# Altium PCB DL-5新款球锁 - 拼板-20201231.PcbDoc (part 6 of 9)
Units mm, origin at the board's own origin, x right, y up, seen from the top; angles counter-clockwise.
Board outline 55.99 x 50 mm, 4 copper layers (Top Layer, POWER, GND, Bottom Layer); 388 components, 70 nets, 1224 pads, 536 vias.
Unrouted connection lines stored in the file: 276.
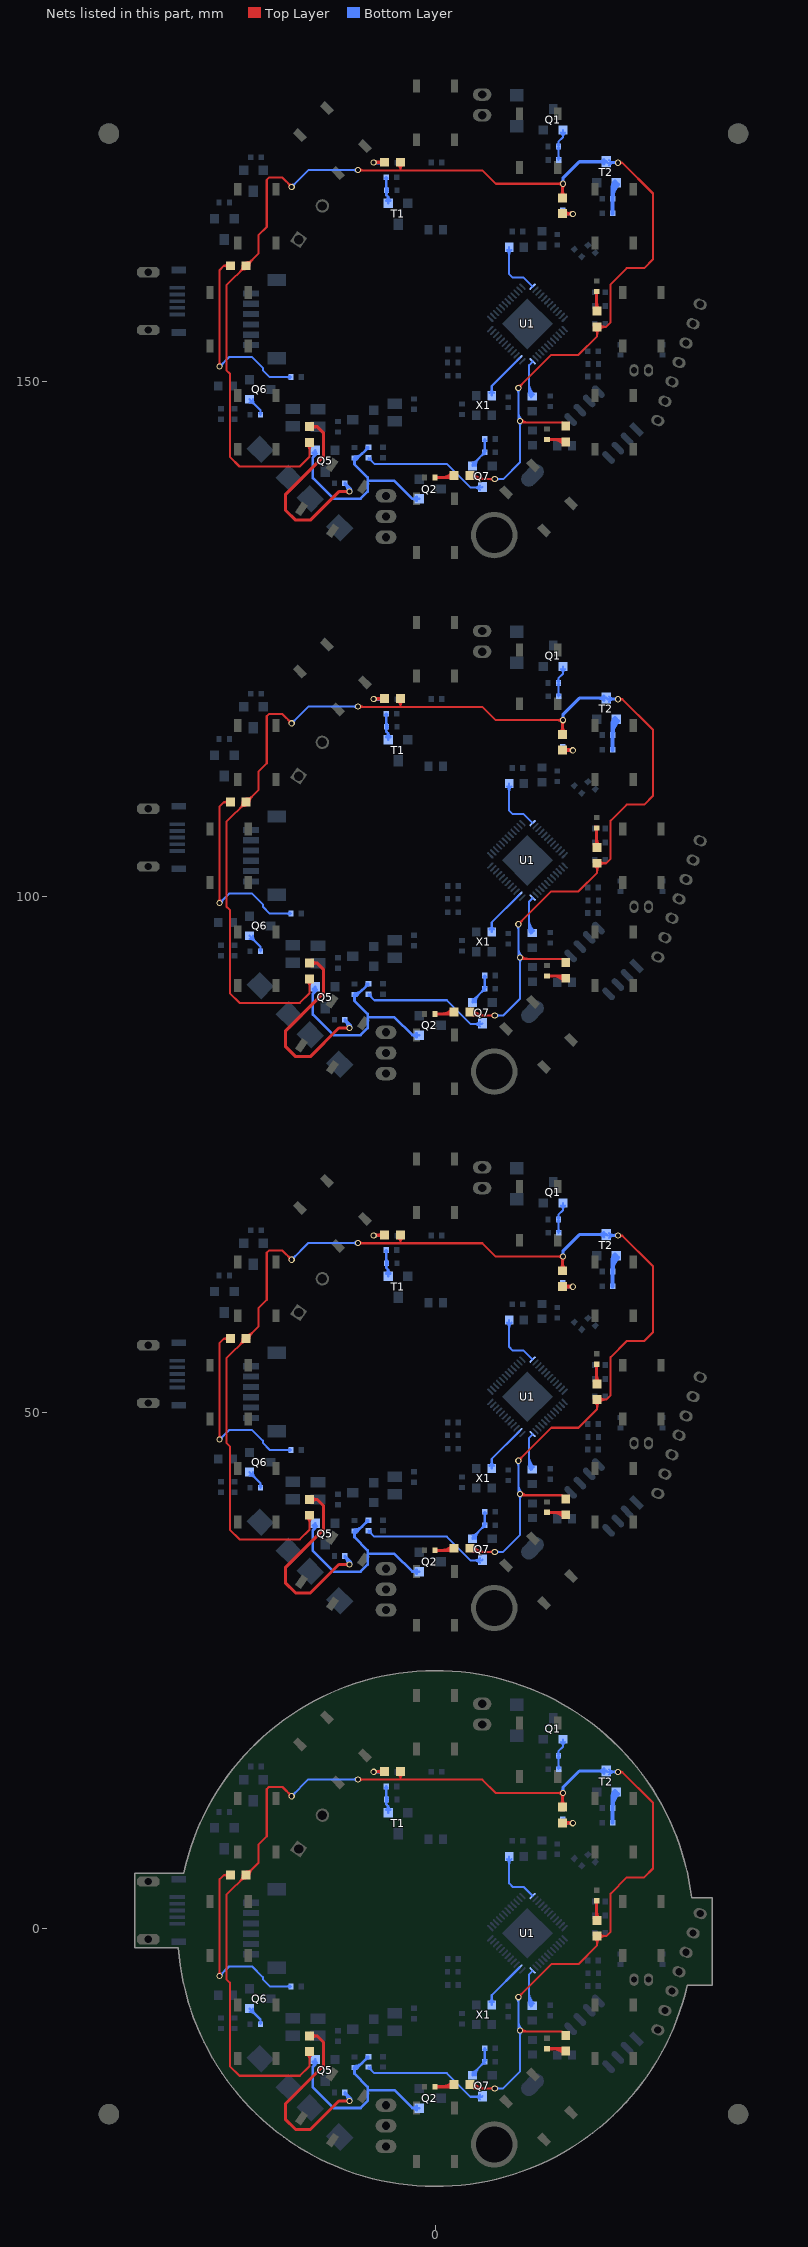
[diagram p8: the nets of this part, all layers, seen from the top]

## Via types
v1: diameter 0.6, hole 0.4, Top Layer to Bottom Layer, 440 vias
v2: diameter 0.6, hole 0.4, Top Layer to Bottom Layer, tented both sides, 48 vias
v3: diameter 0.61, hole 0.406, Top Layer to Bottom Layer, 24 vias
v4: diameter 0.61, hole 0.4, Top Layer to Bottom Layer, 16 vias
v5: diameter 0.61, hole 0.406, Top Layer to Bottom Layer, tented both sides, 8 vias

## Nets (pads, with @x,y where several pads share a name; then routed paths per layer and width w, separated by ;. In a path a pad name is that pad's centre, name@x,y a point inside that pad or via, vN(x,y) a via of type N, cw(c..) or ccw(c..) an arc to the next point about the centre after c; other vN are vias at no path point) (continued)
NetL2_2: L2.2 U1.48 | length 25.3
  Bottom Layer w0.2: L2.2@9.063,-7.119 ccw(c9.692,-7.119) L2.2@9.248,-7.564 ; 9.063,-6.636 ccw(c10.175,-6.636) L2.2@9.389,-7.422 ; 9.063,-6.154 ccw(c10.658,-6.154) L2.2@9.53,-7.281 ; L2.2@9.063,44.881 ccw(c9.692,44.881) L2.2@9.248,44.436 ; 9.063,45.364 ccw(c10.175,45.364) L2.2@9.389,44.578 ; 9.063,45.846 ccw(c10.658,45.846) L2.2@9.53,44.719 ; L2.2@9.063,96.881 ccw(c9.692,96.881) L2.2@9.248,96.436 ; 9.063,97.364 ccw(c10.175,97.364) L2.2@9.389,96.578 ; 9.063,97.846 ccw(c10.658,97.846) L2.2@9.53,96.719 ; L2.2@9.063,148.881 ccw(c9.692,148.881) L2.2@9.248,148.436 ; 9.063,149.364 ccw(c10.175,149.364) L2.2@9.389,148.578 ; 9.063,149.846 ccw(c10.658,149.846) L2.2@9.53,148.719 ; L2.2@9.368,-7.493 9.063,-7.188 9.063,-4.445 9.406,-4.102 U1.48@9.406,-4.063 ; L2.2@9.368,44.507 9.063,44.812 9.063,47.555 9.406,47.898 U1.48@9.406,47.937 ; L2.2@9.368,96.507 9.063,96.812 9.063,99.555 9.406,99.898 U1.48@9.406,99.937 ; L2.2@9.368,148.507 9.063,148.812 9.063,151.555 9.406,151.898 U1.48@9.406,151.937
NetL3_1: L3.1 U1.25 | length 26.1
  Bottom Layer w0.2: L3.1@6.921,6.723 cw(c6.409,6.211) 7.133,6.211 cw(c7.857,6.211) L3.1@7.345,6.723 ; L3.1@6.921,58.723 cw(c6.409,58.211) 7.133,58.211 cw(c7.857,58.211) L3.1@7.345,58.723 ; L3.1@6.921,110.723 cw(c6.409,110.211) 7.133,110.211 cw(c7.857,110.211) L3.1@7.345,110.723 ; L3.1@6.921,162.723 cw(c6.409,162.211) 7.133,162.211 cw(c7.857,162.211) L3.1@7.345,162.723 ; L3.1@7.133,6.985 7.133,4.369 7.477,4.025 8.53,4.025 U1.25@9.406,3.149 ; L3.1@7.133,58.985 7.133,56.369 7.477,56.025 8.53,56.025 U1.25@9.406,55.149 ; L3.1@7.133,110.985 7.133,108.369 7.477,108.025 8.53,108.025 U1.25@9.406,107.149 ; L3.1@7.133,162.985 7.133,160.369 7.477,160.025 8.53,160.025 U1.25@9.406,159.149
NetLED2_1: LED2.1 R12.2 | length 20.1
  Top Layer w0.3: LED2.1@12.315,10.236 12.34,10.211 v1(13.305,10.211) ; LED2.1@12.315,62.236 12.34,62.211 v1(13.305,62.211) ; LED2.1@12.315,114.236 12.34,114.211 v1(13.305,114.211) ; LED2.1@12.315,166.236 12.34,166.211 v1(13.305,166.211) ; LED2.1@12.514,10.037 cw(c12.934,9.617) 12.934,10.211 ; LED2.1@12.514,10.435 ccw(c13.056,10.978) v1@13.056,10.211 ; LED2.1@12.514,62.037 cw(c12.934,61.617) 12.934,62.211 ; LED2.1@12.514,62.435 ccw(c13.056,62.978) v1@13.056,62.211 ; LED2.1@12.514,114.037 cw(c12.934,113.617) 12.934,114.211 ; LED2.1@12.514,114.435 ccw(c13.056,114.978) v1@13.056,114.211 ; LED2.1@12.514,166.037 cw(c12.934,165.617) 12.934,166.211 ; LED2.1@12.514,166.435 ccw(c13.056,166.978) v1@13.056,166.211 ; 12.789,10.283 ccw(c12.939,10.845) v1@13.23,10.341 ; 12.789,62.283 ccw(c12.939,62.845) v1@13.23,62.341 ; 12.789,114.283 ccw(c12.939,114.845) v1@13.23,114.341 ; 12.789,166.283 ccw(c12.939,166.845) v1@13.23,166.341 ; v1@13.199,10.105 ccw(c12.943,9.849) 12.943,10.211 ccw(c12.943,10.573) v1@13.199,10.317 ; v1@13.199,62.105 ccw(c12.943,61.849) 12.943,62.211 ccw(c12.943,62.573) v1@13.199,62.317 ; v1@13.199,114.105 ccw(c12.943,113.849) 12.943,114.211 ccw(c12.943,114.573) v1@13.199,114.317 ; v1@13.199,166.105 ccw(c12.943,165.849) 12.943,166.211 ccw(c12.943,166.573) v1@13.199,166.317
  Bottom Layer w0.3: R12.2@12.34,10.592 12.721,10.211 v1(13.305,10.211) ; R12.2@12.34,62.592 12.721,62.211 v1(13.305,62.211) ; R12.2@12.34,114.592 12.721,114.211 v1(13.305,114.211) ; R12.2@12.34,166.592 12.721,166.211 v1(13.305,166.211) ; R12.2@12.469,10.592 ccw(c12.782,10.592) R12.2@12.561,10.371 ; R12.2@12.469,62.592 ccw(c12.782,62.592) R12.2@12.561,62.371 ; R12.2@12.469,114.592 ccw(c12.782,114.592) R12.2@12.561,114.371 ; R12.2@12.469,166.592 ccw(c12.782,166.592) R12.2@12.561,166.371 ; v1@13.199,10.105 ccw(c12.943,9.849) 12.943,10.211 ccw(c12.943,10.573) v1@13.199,10.317 ; v1@13.199,62.105 ccw(c12.943,61.849) 12.943,62.211 ccw(c12.943,62.573) v1@13.199,62.317 ; v1@13.199,114.105 ccw(c12.943,113.849) 12.943,114.211 ccw(c12.943,114.573) v1@13.199,114.317 ; v1@13.199,166.105 ccw(c12.943,165.849) 12.943,166.211 ccw(c12.943,166.573) v1@13.199,166.317
NetLED2_2: LED2.2 LED3.2 LED4.2 LED6.2 LED7.2 LED8.2 LED9.2 T2.3 | length 620.7
  Top Layer w0.2: LED7.2@-18.7,5.182 cw(c-19.501,5.182) -18.935,4.615 cw(c-18.368,4.049) LED7.2@-18.368,4.85 ; LED7.2@-18.7,57.182 cw(c-19.501,57.182) -18.935,56.615 cw(c-18.368,56.049) LED7.2@-18.368,56.85 ; LED7.2@-18.7,109.182 cw(c-19.501,109.182) -18.935,108.615 cw(c-18.368,108.049) LED7.2@-18.368,108.85 ; LED7.2@-18.7,161.182 cw(c-19.501,161.182) -18.935,160.615 cw(c-18.368,160.049) LED7.2@-18.368,160.85 ; LED7.2@-18.368,5.513 ccw(c-18.368,6.376) -17.759,5.766 ; LED7.2@-18.368,57.513 ccw(c-18.368,58.376) -17.759,57.766 ; LED7.2@-18.368,109.513 ccw(c-18.368,110.376) -17.759,109.766 ; LED7.2@-18.368,161.513 ccw(c-18.368,162.376) -17.759,161.766 ; LED7.2@-18.037,5.182 cw(c-17.297,5.182) -17.82,5.705 ; LED7.2@-18.037,57.182 cw(c-17.297,57.182) -17.82,57.705 ; LED7.2@-18.037,109.182 cw(c-17.297,109.182) -17.82,109.705 ; LED7.2@-18.037,161.182 cw(c-17.297,161.182) -17.82,161.705 ; v1@-14.149,12.827 ccw(c-14.632,12.827) -14.29,13.168 ccw(c-13.949,13.51) v1@-13.949,13.027 ; v1@-14.149,64.827 ccw(c-14.632,64.827) -14.29,65.168 ccw(c-13.949,65.51) v1@-13.949,65.027 ; v1@-14.149,116.827 ccw(c-14.632,116.827) -14.29,117.168 ccw(c-13.949,117.51) v1@-13.949,117.027 ; v1@-14.149,168.827 ccw(c-14.632,168.827) -14.29,169.168 ccw(c-13.949,169.51) v1@-13.949,169.027 ; v1(-13.949,12.827) -14.839,13.717 -16.159,13.717 -16.362,13.514 -16.362,8.941 -17.175,8.128 -17.175,6.35 -18.343,5.182 LED7.2@-18.368,5.182 -20.274,3.277 -20.274,-4.928 -19.943,-5.258 -19.943,-13.335 -19.004,-14.275 -13.162,-14.275 -12.222,-13.335 LED6.2@-12.222,-11.938 ; v1(-13.949,64.827) -14.839,65.717 -16.159,65.717 -16.362,65.514 -16.362,60.941 -17.175,60.128 -17.175,58.35 -18.343,57.182 LED7.2@-18.368,57.182 -20.274,55.277 -20.274,47.072 -19.943,46.742 -19.943,38.665 -19.004,37.725 -13.162,37.725 -12.222,38.665 LED6.2@-12.222,40.062 ; v1(-13.949,116.827) -14.839,117.717 -16.159,117.717 -16.362,117.514 -16.362,112.941 -17.175,112.128 -17.175,110.35 -18.343,109.182 LED7.2@-18.368,109.182 -20.274,107.277 -20.274,99.072 -19.943,98.742 -19.943,90.665 -19.004,89.725 -13.162,89.725 -12.222,90.665 LED6.2@-12.222,92.062 ; v1(-13.949,168.827) -14.839,169.717 -16.159,169.717 -16.362,169.514 -16.362,164.941 -17.175,164.128 -17.175,162.35 -18.343,161.182 LED7.2@-18.368,161.182 -20.274,159.277 -20.274,151.072 -19.943,150.742 -19.943,142.665 -19.004,141.725 -13.162,141.725 -12.222,142.665 LED6.2@-12.222,144.062 ; LED6.2@-12.456,-12.173 cw(c-13.023,-12.739) -12.222,-12.739 cw(c-11.421,-12.739) LED6.2@-11.987,-12.173 ; LED6.2@-12.456,39.827 cw(c-13.023,39.261) -12.222,39.261 cw(c-11.421,39.261) LED6.2@-11.987,39.827 ; LED6.2@-12.456,91.827 cw(c-13.023,91.261) -12.222,91.261 cw(c-11.421,91.261) LED6.2@-11.987,91.827 ; LED6.2@-12.456,143.827 cw(c-13.023,143.261) -12.222,143.261 cw(c-11.421,143.261) LED6.2@-11.987,143.827 ; v1(-7.523,14.453) -7.548,14.453 -7.523,14.427 -3.383,14.427 ; v1(-7.523,66.453) -7.548,66.453 -7.523,66.427 -3.383,66.427 ; v1(-7.523,118.453) -7.548,118.453 -7.523,118.427 -3.383,118.427 ; v1(-7.523,170.453) -7.548,170.453 -7.523,170.427 -3.383,170.427 ; v1@-7.381,14.311 cw(c-7.101,14.031) -7.101,14.427 ; v1@-7.381,14.594 ccw(c-6.979,14.997) -6.979,14.427 ; v1@-7.381,66.311 cw(c-7.101,66.031) -7.101,66.427 ; v1@-7.381,66.594 ccw(c-6.979,66.997) -6.979,66.427 ; v1@-7.381,118.311 cw(c-7.101,118.031) -7.101,118.427 ; v1@-7.381,118.594 ccw(c-6.979,118.997) -6.979,118.427 ; v1@-7.381,170.311 cw(c-7.101,170.031) -7.101,170.427 ; v1@-7.381,170.594 ccw(c-6.979,170.997) -6.979,170.427 ; LED8.2@-3.634,14.972 cw(c-4.117,14.453) -3.408,14.453 ; LED8.2@-3.634,66.972 cw(c-4.117,66.453) -3.408,66.453 ; LED8.2@-3.634,118.972 cw(c-4.117,118.453) -3.408,118.453 ; LED8.2@-3.634,170.972 cw(c-4.117,170.453) -3.408,170.453 ; LED8.2@-3.408,15.215 -3.408,14.453 ; LED8.2@-3.408,67.215 -3.408,66.453 ; LED8.2@-3.408,119.215 -3.408,118.453 ; LED8.2@-3.408,171.215 -3.408,170.453 ; LED8.2@-3.182,14.972 ccw(c-2.699,14.453) -3.408,14.453 ; LED8.2@-3.182,66.972 ccw(c-2.699,66.453) -3.408,66.453 ; LED8.2@-3.182,118.972 ccw(c-2.699,118.453) -3.408,118.453 ; LED8.2@-3.182,170.972 ccw(c-2.699,170.453) -3.408,170.453 ; LED9.2@3.275,-15.187 ccw(c4.017,-14.445) 4.017,-15.494 ; LED9.2@3.275,36.813 ccw(c4.017,37.555) 4.017,36.506 ; LED9.2@3.275,88.813 ccw(c4.017,89.555) 4.017,88.506 ; LED9.2@3.275,140.813 ccw(c4.017,141.555) 4.017,140.506 ; LED9.2@3.323,-15.138 3.679,-15.494 v2(5.736,-15.494) ; LED9.2@3.323,36.862 3.679,36.506 v2(5.736,36.506) ; LED9.2@3.323,88.862 3.679,88.506 v2(5.736,88.506) ; LED9.2@3.323,140.862 3.679,140.506 v2(5.736,140.506) ; LED9.2@3.374,-14.834 LED9.2@3.501,-14.961 ; LED9.2@3.374,37.166 LED9.2@3.501,37.039 ; LED9.2@3.374,89.166 LED9.2@3.501,89.039 ; LED9.2@3.374,141.166 LED9.2@3.501,141.039 ; LED9.2@3.416,-15.045 ccw(c4.5,-13.962) 4.5,-15.494 ; LED9.2@3.416,36.955 ccw(c4.5,38.038) 4.5,36.506 ; LED9.2@3.416,88.955 ccw(c4.5,90.038) 4.5,88.506 ; LED9.2@3.416,140.955 ccw(c4.5,142.038) 4.5,140.506 ; LED9.2@3.558,-14.904 ccw(c4.983,-13.479) 4.983,-15.494 ; LED9.2@3.558,37.096 ccw(c4.983,38.521) 4.983,36.506 ; LED9.2@3.558,89.096 ccw(c4.983,90.521) 4.983,88.506 ; LED9.2@3.558,141.096 ccw(c4.983,142.521) 4.983,140.506 ; v2@5.595,-15.635 ccw(c5.253,-15.977) 5.253,-15.494 ccw(c5.253,-15.011) v2@5.595,-15.353 ; v2@5.595,36.365 ccw(c5.253,36.023) 5.253,36.506 ccw(c5.253,36.989) v2@5.595,36.647 ; v2@5.595,88.365 ccw(c5.253,88.023) 5.253,88.506 ccw(c5.253,88.989) v2@5.595,88.647 ; v2@5.595,140.365 ccw(c5.253,140.023) 5.253,140.506 ccw(c5.253,140.989) v2@5.595,140.647 ; v1(8.022,-6.655) 11.222,-3.454 13.853,-3.454 15.667,-1.64 LED3.2@15.667,-0.737 16.531,-0.737 16.964,-0.304 16.964,3.383 18.534,4.953 20.214,4.953 21.078,5.817 21.078,12.192 18.106,15.164 ; v1@8.022,-6.455 ccw(c8.022,-5.972) 8.364,-6.313 ccw(c8.705,-6.655) v1@8.222,-6.655 ; v1(8.022,45.345) 11.222,48.546 13.853,48.546 15.667,50.36 LED3.2@15.667,51.263 16.531,51.263 16.964,51.696 16.964,55.383 18.534,56.953 20.214,56.953 21.078,57.817 21.078,64.192 18.106,67.164 ; v1@8.022,45.545 ccw(c8.022,46.028) 8.364,45.687 ccw(c8.705,45.345) v1@8.222,45.345 ; v1(8.022,97.345) 11.222,100.546 13.853,100.546 15.667,102.36 LED3.2@15.667,103.263 16.531,103.263 16.964,103.696 16.964,107.383 18.534,108.953 20.214,108.953 21.078,109.817 21.078,116.192 18.106,119.164 ; v1@8.022,97.545 ccw(c8.022,98.028) 8.364,97.687 ccw(c8.705,97.345) v1@8.222,97.345 ; v1(8.022,149.345) 11.222,152.546 13.853,152.546 15.667,154.36 LED3.2@15.667,155.263 16.531,155.263 16.964,155.696 16.964,159.383 18.534,160.953 20.214,160.953 21.078,161.817 21.078,168.192 18.106,171.164 ; v1@8.022,149.545 ccw(c8.022,150.028) 8.364,149.687 ccw(c8.705,149.345) v1@8.222,149.345 ; v1@8.341,-9.739 ccw(c8.979,-9.101) 8.979,-10.003 ; v1@8.341,42.261 ccw(c8.979,42.899) 8.979,41.997 ; v1@8.341,94.261 ccw(c8.979,94.899) 8.979,93.997 ; v1@8.341,146.261 ccw(c8.979,146.899) 8.979,145.997 ; 8.496,-10.003 cw(c8.496,-9.584) v1(8.2,-9.881) 8.323,-10.003 12.26,-10.003 LED4.2@12.619,-10.363 ; 8.496,41.997 cw(c8.496,42.416) v1(8.2,42.119) 8.323,41.997 12.26,41.997 LED4.2@12.619,41.637 ; 8.496,93.997 cw(c8.496,94.416) v1(8.2,94.119) 8.323,93.997 12.26,93.997 LED4.2@12.619,93.637 ; 8.496,145.997 cw(c8.496,146.416) v1(8.2,146.119) 8.323,145.997 12.26,145.997 LED4.2@12.619,145.637 ; v1@12.199,12.99 ccw(c11.857,12.649) 11.857,13.132 ccw(c11.857,13.615) v1@12.199,13.273 ; v1@12.199,64.99 ccw(c11.857,64.649) 11.857,65.132 ccw(c11.857,65.615) v1@12.199,65.273 ; v1@12.199,116.99 ccw(c11.857,116.649) 11.857,117.132 ccw(c11.857,117.615) v1@12.199,117.273 ; v1@12.199,168.99 ccw(c11.857,168.649) 11.857,169.132 ccw(c11.857,169.615) v1@12.199,169.273 ; v1(12.34,13.132) 5.838,13.132 4.542,14.427 -3.383,14.427 ; v1(12.34,65.132) 5.838,65.132 4.542,66.427 -3.383,66.427 ; v1(12.34,117.132) 5.838,117.132 4.542,118.427 -3.383,118.427 ; v1(12.34,169.132) 5.838,169.132 4.542,170.427 -3.383,170.427 ; LED3.2@15.433,-0.971 cw(c14.866,-1.538) 15.667,-1.538 cw(c16.469,-1.538) 15.902,-0.971 cw(c16.469,-1.538) 16.469,-0.737 cw(c16.469,0.064) LED3.2@15.902,-0.502 ; LED3.2@15.433,51.029 cw(c14.866,50.462) 15.667,50.462 cw(c16.469,50.462) 15.902,51.029 cw(c16.469,50.462) 16.469,51.263 cw(c16.469,52.064) LED3.2@15.902,51.498 ; LED3.2@15.433,103.029 cw(c14.866,102.462) 15.667,102.462 cw(c16.469,102.462) 15.902,103.029 cw(c16.469,102.462) 16.469,103.263 cw(c16.469,104.064) LED3.2@15.902,103.498 ; LED3.2@15.433,155.029 cw(c14.866,154.462) 15.667,154.462 cw(c16.469,154.462) 15.902,155.029 cw(c16.469,154.462) 16.469,155.263 cw(c16.469,156.064) LED3.2@15.902,155.498 ; v1(17.699,15.164) 18.106,15.164 ; v1(17.699,67.164) 18.106,67.164 ; v1(17.699,119.164) 18.106,119.164 ; v1(17.699,171.164) 18.106,171.164 ; v1@17.858,15.042 cw(c18.106,14.851) 18.106,15.164 ; v1@17.858,15.286 ccw(c18.106,15.477) 18.106,15.164 ; v1@17.858,67.042 cw(c18.106,66.851) 18.106,67.164 ; v1@17.858,67.286 ccw(c18.106,67.477) 18.106,67.164 ; v1@17.858,119.042 cw(c18.106,118.851) 18.106,119.164 ; v1@17.858,119.286 ccw(c18.106,119.477) 18.106,119.164 ; v1@17.858,171.042 cw(c18.106,170.851) 18.106,171.164 ; v1@17.858,171.286 ccw(c18.106,171.477) 18.106,171.164 ; -3.408,14.453 -3.383,14.427 ; -3.408,66.453 -3.383,66.427 ; -3.408,118.453 -3.383,118.427 ; -3.408,170.453 -3.383,170.427
  Top Layer w0.3: LED2.2@12.115,11.959 ccw(c11.634,12.441) 12.315,12.441 ccw(c12.995,12.441) LED2.2@12.514,11.959 ; LED2.2@12.115,63.959 ccw(c11.634,64.441) 12.315,64.441 ccw(c12.995,64.441) LED2.2@12.514,63.959 ; LED2.2@12.115,115.959 ccw(c11.634,116.441) 12.315,116.441 ccw(c12.995,116.441) LED2.2@12.514,115.959 ; LED2.2@12.115,167.959 ccw(c11.634,168.441) 12.315,168.441 ccw(c12.995,168.441) LED2.2@12.514,167.959 ; v1@12.234,13.026 cw(c12.039,12.831) 12.315,12.831 ; v1@12.234,65.026 cw(c12.039,64.831) 12.315,64.831 ; v1@12.234,117.026 cw(c12.039,116.831) 12.315,116.831 ; v1@12.234,169.026 cw(c12.039,168.831) 12.315,168.831 ; LED2.2@12.315,11.76 12.315,13.106 v1(12.34,13.132) ; 12.315,12.708 cw(c12.764,12.708) v1@12.446,13.026 ; LED2.2@12.315,63.76 12.315,65.106 v1(12.34,65.132) ; 12.315,64.708 cw(c12.764,64.708) v1@12.446,65.026 ; LED2.2@12.315,115.76 12.315,117.106 v1(12.34,117.132) ; 12.315,116.708 cw(c12.764,116.708) v1@12.446,117.026 ; LED2.2@12.315,167.76 12.315,169.106 v1(12.34,169.132) ; 12.315,168.708 cw(c12.764,168.708) v1@12.446,169.026
  Bottom Layer w0.2: v1(-13.949,12.827) -12.323,14.453 v1(-7.523,14.453) ; v1@-13.949,13.027 ccw(c-13.949,13.51) -13.607,13.168 ccw(c-13.266,12.827) v1@-13.749,12.827 ; v1(-13.949,64.827) -12.323,66.453 v1(-7.523,66.453) ; v1@-13.949,65.027 ccw(c-13.949,65.51) -13.607,65.168 ccw(c-13.266,64.827) v1@-13.749,64.827 ; v1(-13.949,116.827) -12.323,118.453 v1(-7.523,118.453) ; v1@-13.949,117.027 ccw(c-13.949,117.51) -13.607,117.168 ccw(c-13.266,116.827) v1@-13.749,116.827 ; v1(-13.949,168.827) -12.323,170.453 v1(-7.523,170.453) ; v1@-13.949,169.027 ccw(c-13.949,169.51) -13.607,169.168 ccw(c-13.266,168.827) v1@-13.749,168.827 ; v1@-7.664,14.311 ccw(c-8.006,13.97) -8.006,14.453 ccw(c-8.006,14.935) v1@-7.664,14.594 ; v1@-7.664,66.311 ccw(c-8.006,65.97) -8.006,66.453 ccw(c-8.006,66.935) v1@-7.664,66.594 ; v1@-7.664,118.311 ccw(c-8.006,117.97) -8.006,118.453 ccw(c-8.006,118.935) v1@-7.664,118.594 ; v1@-7.664,170.311 ccw(c-8.006,169.97) -8.006,170.453 ccw(c-8.006,170.935) v1@-7.664,170.594 ; v2(5.736,-15.494) 6.549,-15.494 8.2,-13.843 v1(8.2,-9.881) ; v2(5.736,36.506) 6.549,36.506 8.2,38.157 v1(8.2,42.119) ; v2(5.736,88.506) 6.549,88.506 8.2,90.157 v1(8.2,94.119) ; v2(5.736,140.506) 6.549,140.506 8.2,142.157 v1(8.2,146.119) ; v2@5.878,-15.635 cw(c6.219,-15.977) 6.219,-15.494 cw(c6.219,-15.011) v2@5.878,-15.353 ; v2@5.878,36.365 cw(c6.219,36.023) 6.219,36.506 cw(c6.219,36.989) v2@5.878,36.647 ; v2@5.878,88.365 cw(c6.219,88.023) 6.219,88.506 cw(c6.219,88.989) v2@5.878,88.647 ; v2@5.878,140.365 cw(c6.219,140.023) 6.219,140.506 cw(c6.219,140.989) v2@5.878,140.647 ; v1@7.881,-6.796 cw(c7.539,-7.138) 8.022,-7.138 cw(c8.505,-7.138) v1@8.164,-6.796 ; v1@7.881,45.204 cw(c7.539,44.862) 8.022,44.862 cw(c8.505,44.862) v1@8.164,45.204 ; v1@7.881,97.204 cw(c7.539,96.862) 8.022,96.862 cw(c8.505,96.862) v1@8.164,97.204 ; v1@7.881,149.204 cw(c7.539,148.862) 8.022,148.862 cw(c8.505,148.862) v1@8.164,149.204 ; 8.022,-9.451 ccw(c8.629,-9.451) v1(8.2,-9.881) ; 8.022,-8.969 ccw(c9.112,-8.969) v1@8.341,-9.739 ; v1(8.022,-6.655) 8.022,-9.703 v1(8.2,-9.881) ; 8.022,42.549 ccw(c8.629,42.549) v1(8.2,42.119) ; 8.022,43.031 ccw(c9.112,43.031) v1@8.341,42.261 ; v1(8.022,45.345) 8.022,42.297 v1(8.2,42.119) ; 8.022,94.549 ccw(c8.629,94.549) v1(8.2,94.119) ; 8.022,95.031 ccw(c9.112,95.031) v1@8.341,94.261 ; v1(8.022,97.345) 8.022,94.297 v1(8.2,94.119) ; 8.022,146.549 ccw(c8.629,146.549) v1(8.2,146.119) ; 8.022,147.031 ccw(c9.112,147.031) v1@8.341,146.261 ; v1(8.022,149.345) 8.022,146.297 v1(8.2,146.119) ; v1@8.058,-10.022 cw(c7.717,-10.363) 8.2,-10.363 cw(c8.683,-10.363) v1@8.341,-10.022 ; v1@8.058,41.978 cw(c7.717,41.637) 8.2,41.637 cw(c8.683,41.637) v1@8.341,41.978 ; v1@8.058,93.978 cw(c7.717,93.637) 8.2,93.637 cw(c8.683,93.637) v1@8.341,93.978 ; v1@8.058,145.978 cw(c7.717,145.637) 8.2,145.637 cw(c8.683,145.637) v1@8.341,145.978 ; T2.3@16.556,15.265 16.658,15.164 v1(17.699,15.164) ; T2.3@16.556,67.265 16.658,67.164 v1(17.699,67.164) ; T2.3@16.556,119.265 16.658,119.164 v1(17.699,119.164) ; T2.3@16.556,171.265 16.658,171.164 v1(17.699,171.164) ; T2.3@16.809,14.92 cw(c17.398,14.331) 17.398,15.164 ; T2.3@16.809,15.425 ccw(c17.44,16.056) v1@17.44,15.164 ; T2.3@16.809,66.92 cw(c17.398,66.331) 17.398,67.164 ; T2.3@16.809,67.425 ccw(c17.44,68.056) v1@17.44,67.164 ; T2.3@16.809,118.92 cw(c17.398,118.331) 17.398,119.164 ; T2.3@16.809,119.425 ccw(c17.44,120.056) v1@17.44,119.164 ; T2.3@16.809,170.92 cw(c17.398,170.331) 17.398,171.164 ; T2.3@16.809,171.425 ccw(c17.44,172.056) v1@17.44,171.164 ; 17.106,15.253 ccw(c17.261,15.832) v1@17.59,15.331 ; 17.106,67.253 ccw(c17.261,67.832) v1@17.59,67.331 ; 17.106,119.253 ccw(c17.261,119.832) v1@17.59,119.331 ; 17.106,171.253 ccw(c17.261,171.832) v1@17.59,171.331 ; 17.372,15.182 cw(c17.307,14.937) v1@17.526,15.064 ; 17.372,67.182 cw(c17.307,66.937) v1@17.526,67.064 ; 17.372,119.182 cw(c17.307,118.937) v1@17.526,119.064 ; 17.372,171.182 cw(c17.307,170.937) v1@17.526,171.064 ; v1@17.558,15.022 ccw(c17.217,14.681) 17.217,15.164 ccw(c17.217,15.647) v1@17.558,15.305 ; v1@17.558,67.022 ccw(c17.217,66.681) 17.217,67.164 ccw(c17.217,67.647) v1@17.558,67.305 ; v1@17.558,119.022 ccw(c17.217,118.681) 17.217,119.164 ccw(c17.217,119.647) v1@17.558,119.305 ; v1@17.558,171.022 ccw(c17.217,170.681) 17.217,171.164 ccw(c17.217,171.647) v1@17.558,171.305
  Bottom Layer w0.3: v1@12.234,13.238 ccw(c11.978,13.494) 12.34,13.494 ccw(c12.702,13.494) v1@12.446,13.238 ; v1@12.234,65.238 ccw(c11.978,65.494) 12.34,65.494 ccw(c12.702,65.494) v1@12.446,65.238 ; v1@12.234,117.238 ccw(c11.978,117.494) 12.34,117.494 ccw(c12.702,117.494) v1@12.446,117.238 ; v1@12.234,169.238 ccw(c11.978,169.494) 12.34,169.494 ccw(c12.702,169.494) v1@12.446,169.238 ; v1(12.34,13.132) 12.34,13.665 13.94,15.265 T2.3@16.556,15.265 ; v1(12.34,65.132) 12.34,65.665 13.94,67.265 T2.3@16.556,67.265 ; v1(12.34,117.132) 12.34,117.665 13.94,119.265 T2.3@16.556,119.265 ; v1(12.34,169.132) 12.34,169.665 13.94,171.265 T2.3@16.556,171.265 ; T2.3@16.339,15.048 ccw(c15.815,14.524) 15.815,15.265 ccw(c15.815,16.007) T2.3@16.339,15.483 ; T2.3@16.339,67.048 ccw(c15.815,66.524) 15.815,67.265 ccw(c15.815,68.007) T2.3@16.339,67.483 ; T2.3@16.339,119.048 ccw(c15.815,118.524) 15.815,119.265 ccw(c15.815,120.007) T2.3@16.339,119.483 ; T2.3@16.339,171.048 ccw(c15.815,170.524) 15.815,171.265 ccw(c15.815,172.007) T2.3@16.339,171.483